# Altium PCB RBP-UPS_Power_V1.1.PcbDoc (part 2 of 2)
Units mil, origin at the board's own origin, x right, y up, seen from the top; angles counter-clockwise.
Board outline 3346.46 x 2204.72 mil, 4 copper layers (Top Layer, GND, PWR, Bottom Layer), stack 23.756 mil thick; 129 components, 97 nets, 431 pads, 453 vias.
Unrouted connection lines stored in the file: 91.
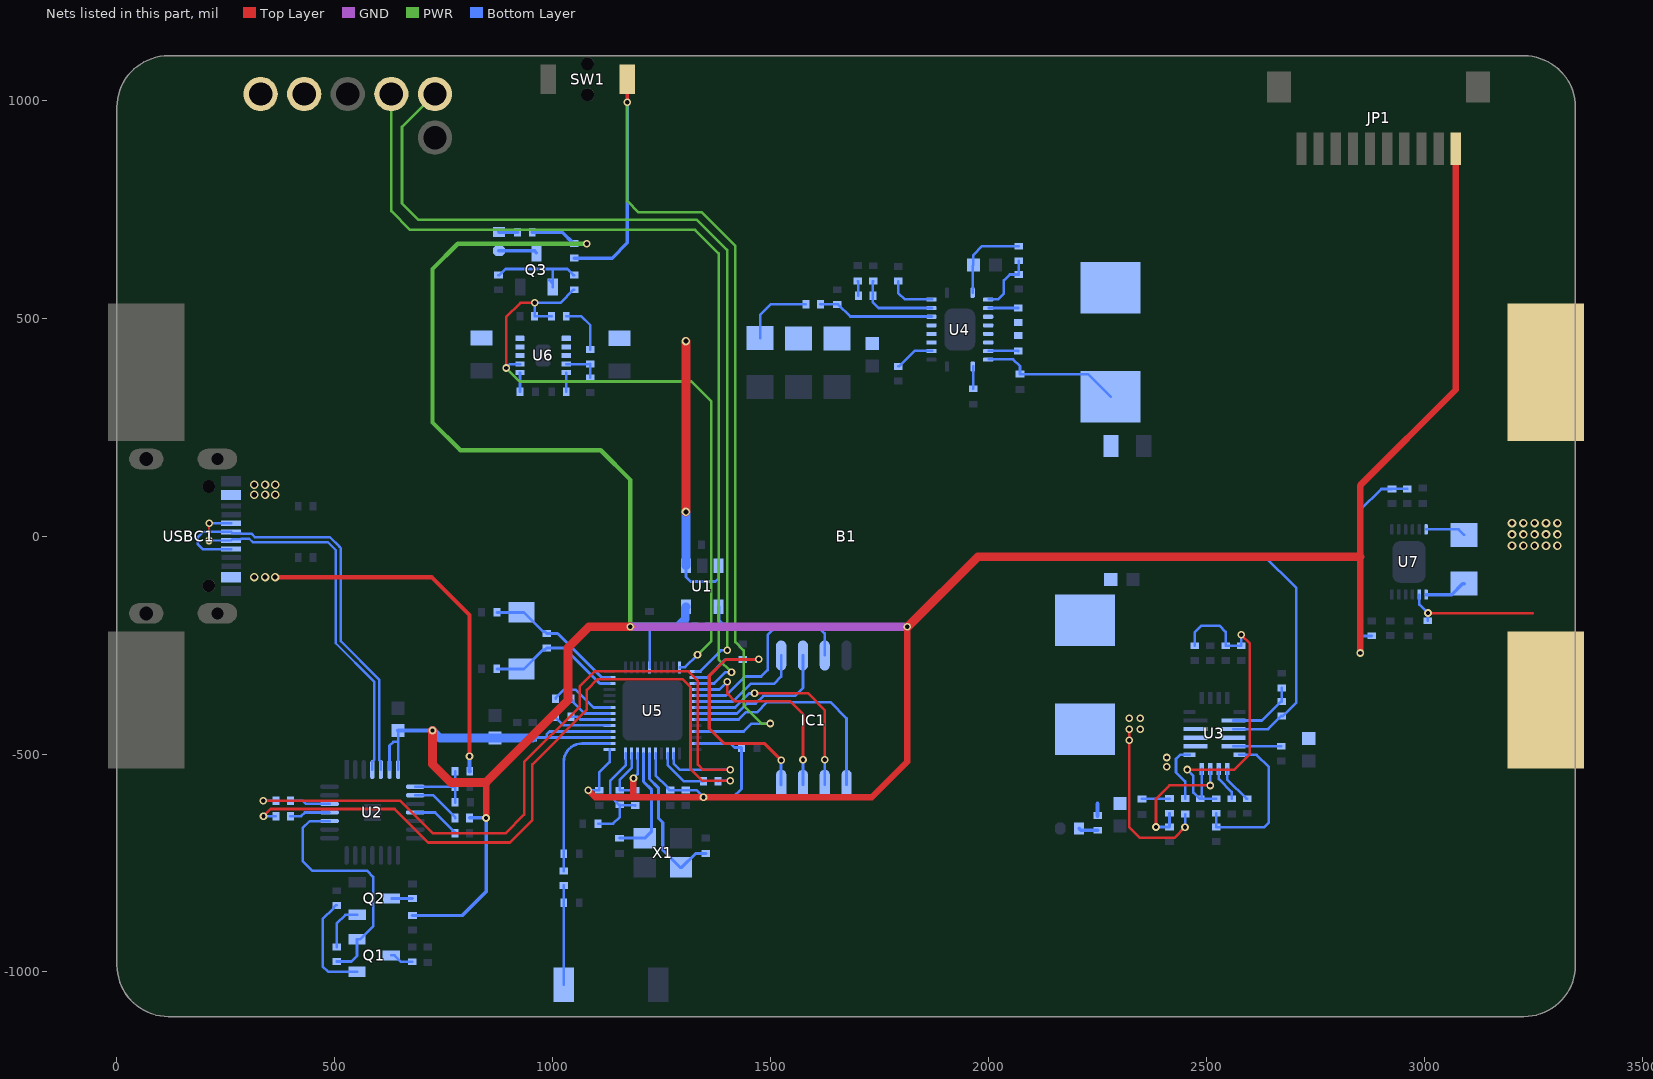
[diagram p4: the nets of this part, all layers, seen from the top]

## Via types
v1: diameter 17.72, hole 9.84, Top Layer to Bottom Layer, tented both sides, 427 vias
v2: diameter 19.68, hole 11.81, Top Layer to Bottom Layer, tented both sides, 26 vias

## Nets (pads, with @x,y where several pads share a name; then routed paths per layer and width w, separated by ;. In a path a pad name is that pad's centre, name@x,y a point inside that pad or via, vN(x,y) a via of type N, cw(c..) or ccw(c..) an arc to the next point about the centre after c; other vN are vias at no path point) (continued)
NetB1_1: B1.1 B1.3 C47.1 R45.1 U7.6 U7.8 | length 400.9
  Top Layer w6: v1(3008.04,-176.45) 3248.45,-176.45
  Bottom Layer w6: U7.8@2988.25,-134 2988.25,-156.66 v1(3008.04,-176.45) C47.1@3008.04,-194.1 ; U7.6@3004,15.61 3078.51,15.61 R45.1@3091,3.12
  other v2: 3201,-22 3227,-22 3253,-22 3279,-22 3305,-22 3201,4 3227,4 3253,4 3279,4 3305,4 3201,30 3227,30 3253,30 3279,30 3305,30
NetC3_1: C3.1 U1.4 | length 51
  Bottom Layer w8: U1.4@1380.4,-162.24 1380.4,-193.43 1393,-206.03 C3.1@1393,-208
NetC5_2: C5.2 R13.2 R14.2 U2.8 | length 163.6
  Bottom Layer w6: U2.8@684.43,-574.94 R14.2@775.92,-574.94 ; R13.2@775.85,-539.1 775.92,-539.18 R14.2@775.92,-574.94 ; R14.2@775.94,-574.94 R14.2@776,-575 ; C5.2@776,-611 775.92,-610.92 R14.2@775.92,-574.94
NetC7_1: C7.1 L1.1 U3.2 U3.4 | length 403
  Top Layer w6: v1(2323,-443) 2323,-668 2347,-692 2426.59,-692 v1(2450.89,-667.7)
  Bottom Layer w6: v1(2450.89,-667.7) C7.1@2450.89,-637.64
  other v1: 2408.5,-529 2408.5,-508 2323,-468 2348,-443 2323,-418 2348,-418
NetC7_2: C7.2 U3.1 | length 134.7
  Bottom Layer w6: C7.2@2450.89,-602.21 2450.89,-562.89 2430.07,-542.07 2430.07,-511.08 2439.55,-501.6 U3.1@2461.08,-501.6
NetC10_2: C10.2 R18.1 R19.1 R20.1 R21.2 U3.20 | length 832.2
  Top Layer w6: v1(2455.83,-535.62) 2563.76,-535.62 2599.65,-499.73 2599.65,-246.65 v1(2579.45,-226.45)
  Bottom Layer w6: v1(2455.83,-535.62) 2470,-549.79 2470,-588.32 2484.14,-602.46 C10.2@2486.11,-602.46 ; R18.1@2473,-251.54 2473,-221 2488.56,-205.44 2529.44,-205.44 2544,-220 R19.1@2544,-251.54 R20.1@2579.45,-251.51 v1(2579.45,-226.45) ; U3.20@2488.78,-534.3 2488.78,-599.78 C10.2@2486.11,-602.46 ; R21.2@2522.11,-602.46 C10.2@2486.11,-602.46
NetC12_1: C12.1 U3.18 | length 80.3
  Bottom Layer w6: U3.18@2528.15,-534.3 2528.15,-557.15 2557.53,-586.53 C12.1@2557.53,-602.38
NetC13_1: C13.1 L2.2 R26.1 U4.4 U4.5 U4.6 U4.7
NetC13_2: C13.2 U4.8 | length 68.3
  Bottom Layer w6: U4.8@2000,425.26 2000.11,425.15 2068.1,425.15 C13.2@2068.22,425.03
NetC20_2: C20.2 U4.10 | length 51.6
  Bottom Layer w6: U4.10@1964.57,389.83 1964.57,338.3 C20.2@1964.64,338.23
NetC21_2: C21.2 R28.1 U4.1 | length 199.3
  Bottom Layer w6: U4.1@1963.53,558.65 1963.53,620.53 C21.2@1965,622 1965,645 1985.34,665.34 R28.1@2068.87,665.34
NetC23_1: C23.1 R31.2 | length 34
  Bottom Layer w6: C23.1@1699.78,585.27 1701.13,583.92 R31.2@1701.13,551.8
NetC24_1: C24.1 U5.45 X1.3 | length 267.2
  Bottom Layer w7: C24.1@1153,-693 1211.25,-693 X1.3@1211.32,-693.07 1227,-677.39 1227,-582 1208.33,-563.33 U5.45@1208.33,-498.43
NetC25_1: C25.1 U5.44 X1.1 | length 362.9
  Bottom Layer w7: U5.44@1222.11,-498.43 1222.11,-557.11 1242.11,-577.11 1242.11,-646.73 1252.27,-656.9 1252.27,-720.24 1292.03,-760 X1.1@1294,-760 1295.97,-760 1327.57,-728.4 C25.1@1351.33,-728.4
NetC28_1: C28.1 C29.1 R32.1 U5.48 | length 263
  Bottom Layer w6: C29.1@1104.04,-659.62 1138.38,-659.62 1153.7,-644.3 R32.1@1153.7,-616.36 ; U5.48@1166.99,-498.43 1166.99,-525.97 1132,-560.96 1132,-596.63 1151.73,-616.36 R32.1@1153.7,-616.36 ; C28.1@1189.35,-618.31 1188.37,-617.33 1154.68,-617.33 R32.1@1153.7,-616.36
NetC28_2: C28.2 R32.2 U5.47 | length 131.3
  Bottom Layer w6: R32.2@1153.7,-582.89 1153.7,-558.85 1180.77,-531.78 U5.47@1180.77,-498.43 ; R32.2@1153.7,-582.89 C28.2@1189.34,-582.88
NetC35_2: C35.2 R34.1 T1.1 | length 227.7
  Bottom Layer w6.16: T1.1@1025,-1029 1025,-841.21 C35.2@1025.26,-841.21 1025.26,-801.65 R34.1@1025.4,-801.65
NetC36_2: C36.2 R34.2 U5.2 | length 380.3
  Bottom Layer w6.16: R34.2@1025.4,-768.19 1025.4,-728.66 C36.2@1025.17,-728.66 1025,-728.66 1025,-518 cw(c1067.21,-518) 1067.21,-475.79 U5.2@1130.57,-475.79
NetC37_1: C37.1 U5.6 | length 91.5
  Bottom Layer w6: C37.1@1041.66,-414.47 1056.93,-414.47 1063.13,-420.67 U5.6@1130.57,-420.67
NetC38_2: C38.2 U5.7 | length 104.3
  Bottom Layer w6: C38.2@1041.81,-372.93 1046.68,-377.81 1046.68,-380.35 1073.22,-406.89 U5.7@1130.57,-406.89
NetC39_2: C39.2 R35.2 U5.12 X2.2 | length 312.8
  Bottom Layer w7: C39.2@871.54,-304.62 927.75,-304.62 X2.2@927.95,-304.82 933.85,-304.82 977.74,-260.94 981.61,-260.94 R35.2@985.98,-256.56 1026.39,-256.56 1107.82,-337.99 U5.12@1130.57,-337.99
NetC40_2: C40.2 R35.1 U5.13 X2.1 | length 320.5
  Bottom Layer w7: C40.2@871.98,-174.83 927.88,-174.83 X2.1@927.95,-174.9 933.85,-174.9 977.68,-218.73 981.61,-218.73 R35.1@985.98,-223.1 1011.31,-223.1 1112.38,-324.17 U5.13@1130.57,-324.21 U5.13@1130.57,-324.21
NetC45_2: C45.2 U6.6 | length 44.4
  Bottom Layer w6: U6.6@924.7,375.26 924.7,331.02 C45.2@924.83,331.02
NetLED1_1: LED1.1 R47.2 | length 44.2
  Bottom Layer w8: LED1.1@2207.45,-670.69 2211.49,-674.73 R47.2@2250,-674.73
NetLED2_1: LED2.1 R48.1 | length 43.4
  Bottom Layer w8: LED2.1@876.43,698.03 876.93,697.53 918.93,697.53 R48.1@919.43,697.03
NetLED2_2: LED2.2 Q3.3 | length 87.8
  Bottom Layer w8: LED2.2@876.43,654.72 958.11,654.72 Q3.3@962.43,650.4
NetQ1_1: Q1.1 R10.2 | length 238
  Bottom Layer w6: R10.2@503.81,-847.13 501.84,-847.13 496.97,-852.01 496.97,-853.98 472,-878.94 472,-987 484.4,-999.4 Q1.1@550.63,-999.4
NetQ1_3: Q1.3 R9.1 | length 54.4
  Bottom Layer w6: Q1.3@629.37,-962 637.24,-962 651.79,-976.55 R9.1@677.77,-976.55
NetQ2_1: Q2.1 R11.2 | length 109.4
  Bottom Layer w6: R11.2@503.98,-942.58 503.98,-889.02 524.23,-868.77 Q2.1@551.42,-868.77
NetQ2_3: Q2.3 R12.1 | length 47.9
  Bottom Layer w6: Q2.3@630.16,-831.37 630.25,-831.46 R12.1@678.03,-831.46
NetQ3_1: Q3.1 R49.2 R50.2 | length 238
  Bottom Layer w6: R50.2@875.43,599.03 877.4,599.03 891.37,613 1000,613 ; Q3.1@992.02,587.35 Q3.1@999.84,579.53 ; Q3.1@999.84,571.66 Q3.1@999.84,579.53 ; R49.2@1049.43,599.03 1047.47,599.03 1033.5,613 1000,613 ; Q3.1@999.84,579.53 999.84,612.84 1000,613
NetR1_1: R1.1 R2.2 U3.19 | length 301.5
  Top Layer w6: v1(2384.23,-667.23) 2384.23,-602.77 2415.09,-571.91 v1(2508.46,-571.91)
  Bottom Layer w6: v1(2384.23,-667.23) R2.2@2415.09,-667.23 R1.1@2415.1,-635.69 ; v1(2508.46,-571.91) U3.19@2508.46,-534.3
NetR5_1: R5.1 U2.26 | length 92.7
  Bottom Layer w6: R5.1@397.98,-606.83 425.83,-606.83 433.31,-614.31 U2.26@487.57,-614.31
NetR6_1: R6.1 R7.1 U3.12 | length 160.8
  Bottom Layer w6: U3.12@2561.61,-423 2627.3,-423 2671.03,-379.27 R6.1@2673,-379.27 R7.1@2673,-348
NetR8_1: R8.1 U2.25 | length 93.1
  Bottom Layer w6: R8.1@397.94,-642.34 422.66,-642.34 431,-634 U2.25@487.57,-634
NetR15_1: R15.1 U2.11 | length 112.4
  Bottom Layer w6: U2.11@684.43,-634 729.88,-634 775.8,-679.93 R15.1@775.8,-681.89
NetR16_1: R16.1 U2.9 | length 114.1
  Bottom Layer w6: U2.9@684.43,-594.63 725.82,-594.63 775.81,-644.61 R16.1@775.81,-646.58
NetR21_1: R21.1 R22.2 U3.16 | length 363.2
  Bottom Layer w6: R21.1@2522.11,-635.92 R22.2@2522.11,-667.46 2632.54,-667.46 2643.1,-656.9 2643.1,-530.1 2614.74,-501.74 U3.16@2575.39,-501.74
NetR23_2: R23.2 U3.15 | length 110.3
  Bottom Layer w6: U3.15@2561.61,-482.06 R23.2@2671.9,-482.03
NetR24_2: R24.2 U3.17 | length 88
  Bottom Layer w6: U3.17@2547.83,-534.3 2547.83,-558.97 2591.26,-602.39 R24.2@2593.22,-602.39
NetR26_2: R26.2 U4.3 | length 68.2
  Bottom Layer w6: U4.3@2000.01,523.7 R26.2@2068.15,523.71
NetR29_2: R29.2 U4.13 | length 92.3
  Bottom Layer w6: R29.2@1792.65,389.49 1794.61,389.49 1830.39,425.26 U4.13@1870.08,425.26
NetR33_1: R33.1 U5.41 | length 124.6
  Bottom Layer w6: U5.41@1263.45,-498.43 1263.45,-525.19 1300.26,-562 R33.1@1346,-562
NetR37_1: R37.1 R40.2 U6.4 | length 86.6
  Bottom Layer w6: U6.4@1031,394.94 R37.1@1086,395 ; R40.2@1085.98,363.45 R37.1@1086,395 ; R37.1@1086,395 R37.1@1086,395
NetR39_2: R39.2 U6.5 | length 44.3
  Bottom Layer w6: R39.2@1031,331 U6.5@1031,375.26
NetRILIM_1: RILIM.1 U4.19 | length 110.5
  Bottom Layer w6: RILIM.1@1792.65,585.27 1792.65,558.43 1807.71,543.37 U4.19@1870.08,543.37
PW1555_EN: R36.1 R38.2 R49.1 U5.24 U6.7 | length 1555.9
  Top Layer w6: v1(893,386) 893,503 925.57,535.57 v1(958.43,535.57)
  PWR w6: v1(893,386) 924,355 1318.39,355 1364,309.39 1364,-240.12 v1(1331.88,-272.24)
  Bottom Layer w6: v1(893,386) 901.94,394.94 U6.7@924.7,394.94 ; v1(958.43,535.57) 1017.47,535.57 1047.47,565.57 R49.1@1049.43,565.57 ; U5.24@1291.01,-301.57 1291.55,-301.03 1291.55,-300.73 1303.29,-300.73 1331.78,-272.24 v1(1331.88,-272.24)
  Bottom Layer w6.16: v1(958.43,535.57) R38.2@958.43,504.52 997.36,504.52 R36.1@997.36,504.79
RBP_5V: C44.2 G1.1 G2.1 U6.8 U6.9 U6.10
RTS: Q1.2 R11.1 U2.24 | length 574.2
  Bottom Layer w6: U2.24@487.57,-653.68 442.32,-653.68 426,-670 426,-745 449,-768 574.29,-768 588,-781.71 588,-895.1 558.5,-924.6 Q1.2@550.63,-924.6 550.63,-963.37 537.95,-976.05 R11.1@503.98,-976.05
SCK/CLK: IC1.6 U5.31 | length 497.7
  Top Layer w6: v1(1462.95,-360.14) 1585.14,-360.14 1624,-399 v1(1624,-513)
  Bottom Layer w6: U5.31@1327.43,-393.11 1418.5,-393.11 1450.58,-361.03 1462.06,-361.03 v1(1462.95,-360.14) ; IC1.6@1624,-570.35 v1(1624,-513)
SCS/CMD: IC1.1 U5.30 | length 268.6
  Bottom Layer w6: U5.30@1327.43,-379.33 1413.48,-379.33 1454.05,-338.76 1507.15,-338.76 1524,-321.91 IC1.1@1524,-273.65
SDI/SD1: IC1.5 U5.33 | length 530.7
  Bottom Layer w6: U5.33@1327.43,-420.67 1426.33,-420.67 1442.63,-404.37 1468.63,-404.37 1492,-381 1637,-381 1674,-418 IC1.5@1674,-570.35
SDO/SD0: IC1.2 U5.32 | length 345.3
  Bottom Layer w6: U5.32@1327.43,-406.89 1422.4,-406.89 1445.29,-384 1465.57,-384 1483.31,-366.26 1555.74,-366.26 1574,-348 IC1.2@1574,-273.65
SENSOR_VN: C38.1 U5.8 | length 151.1
  Bottom Layer w6: C38.1@1006.38,-372.94 1006.38,-370.97 1025.35,-352 1052.41,-352 1093.52,-393.11 U5.8@1130.57,-393.11
SENSOR_VP: C37.2 U5.5 | length 133.5
  Bottom Layer w6: C37.2@1006.23,-414.47 1006.23,-416.44 1024.03,-434.24 U5.5@1130.36,-434.24
SHD/SD2: IC1.7 U5.28 | length 463.4
  Top Layer w6: v1(1400.52,-333.76) 1400.52,-361.52 1418,-379 1545,-379 1574,-408 v1(1574,-513)
  Bottom Layer w6: U5.28@1327.43,-351.77 1382.5,-351.77 v1(1400.52,-333.76) ; IC1.7@1574,-570.35 v1(1574,-513)
SWP/SD3: IC1.3 U5.29 | length 466.4
  Bottom Layer w6: U5.29@1327.43,-365.55 1397.19,-365.55 1440.74,-322 1478,-322 1493,-307 1493,-227 1513,-207 1608,-207 1624,-223 IC1.3@1624,-273.65
TPS_COMP: C22.1 R31.1 U4.18 | length 189.9
  Bottom Layer w6: C22.1@1735.35,585.21 1734.59,584.45 R31.1@1734.59,551.8 1734.59,536.41 1747.32,523.68 U4.18@1870.08,523.68
TPS_EN: R28.2 R30.2 U4.2 | length 141.7
  Bottom Layer w6: U4.2@2000,543.37 2021.37,543.37 2035,557 2035,587 2048.57,600.57 R30.2@2069.04,600.57 2068.87,600.74 R28.2@2068.87,631.88
TPS_FB: R25.1 R27.2 U4.17 | length 267.6
  Bottom Layer w6: R25.1@1614.11,532.06 1614.16,532 R27.2@1653,532 1654.97,532 1682.97,504 U4.17@1870.08,504
U0RXD: R5.2 U5.40 | length 1748.4
  Top Layer w6: v1(335.83,-606.83) 649.83,-606.83 725,-682 891.02,-682 934.2,-638.81 934.2,-518.43 1062,-390.63 1062,-344 1095.9,-310.1 1311.1,-310.1 1333,-332 1333,-524 1345.13,-536.13 v1(1407.36,-536.13)
  Bottom Layer w6: v1(335.83,-606.83) R5.2@364.52,-606.83 ; U5.40@1277.31,-498.51 1277.31,-521.47 1291.97,-536.13 v1(1407.36,-536.13)
U0TXD: R8.2 R33.2 | length 1629.9
  Top Layer w6: v1(336.34,-642.34) 352.69,-626 637,-626 714,-703 901.3,-703 952.87,-651.43 952.87,-523.35 1078,-398.23 1078,-353 1103.14,-327.87 1297.86,-327.87 1316,-346 1316,-534.29 1343.13,-561.42 v1(1407.38,-561.42)
  Bottom Layer w6: v1(336.34,-642.34) R8.2@364.48,-642.34 ; R33.2@1379.46,-562 1380.04,-561.42 v1(1407.38,-561.42)
U2RXD: G13.1 U5.27 | length 2126.3
  PWR w6: G13.1@629.53,1014.57 629.53,746.06 672.57,703.01 1326.66,703.01 1380.61,649.07 1380.61,-282.61 v1(1410,-312)
  Bottom Layer w6: U5.27@1327.43,-337.99 1370.4,-337.99 1396.39,-312 v1(1410,-312)
U2TXD: G12.1 U5.25 | length 2094
  PWR w6: G12.1@729.53,1014.57 712.57,1014.57 712.57,997.61 654,939.04 654,763.27 690.88,726.38 1330.26,726.38 1400,656.64 v1(1400,-262)
  Bottom Layer w6: U5.25@1327.43,-310.43 1337.66,-310.43 1386.09,-262 v1(1400,-262)
USB_D_N: U2.5 USBC1.A7 USBC1.B7 | length 992.7
  Bottom Layer w5.59: USBC1.B7@261.57,-29.77 USBC1.B7@261.81,-29.53 196.53,-29.53 185,-18 185,-3 197.84,9.84 USBC1.A7@261.82,9.84 264.94,6.73 284.02,6.73 284.94,5.81 308.34,5.81 316.56,-2.41 488.8,-2.41 510.2,-23.8 513.59,-27.2 513.59,-240.76 601.64,-328.81 601.64,-513.64 605.68,-517.69 U2.5@605.68,-535.57
USB_D_P: U2.4 USBC1.A6 USBC1.B6 | length 935
  Top Layer w4.84: v1@211.31,-9.69 v1@211.31,29.37
  PWR w4.84: v1(211.16,-9.84) v1@211.31,-9.69 ; v1@211.31,29.37 v1(211.47,29.53)
  Bottom Layer w5.59: v1(211.16,-9.84) USBC1.A6@261.88,-9.84 264.99,-6.73 284.05,-6.73 285,-5.78 303.54,-5.78 311.75,-14 484,-14 502,-32 502,-245.56 590.05,-333.61 590.05,-513.64 586,-517.69 U2.4@586,-535.57 ; v1(211.47,29.53) USBC1.B6@261.88,29.53
USER_KEY: R51.2 SW1.1 U5.35 | length 2348.9
  Top Layer w8: SW1.1@1170.55,1048.43 1170.91,1048.07 v1(1170.91,995.52)
  PWR w6: v1(1170.91,995.52) 1170.91,769.09 1197,743 1342.11,743 1419,666.11 1419,-243 1437.99,-261.99 1437.99,-388.99 1479,-430 v1(1499,-430)
  Bottom Layer w6: U5.35@1327.43,-448.23 1437.77,-448.23 1456,-430 v1(1499,-430)
  Bottom Layer w8: R51.2@1049.43,638.03 1136.03,638.03 1171,673 1171,995.44 v1(1170.91,995.52)
VBAT: C11.2 R45.2 U3.14 U7.7 | length 97.3
  Bottom Layer w8: U7.7@3004,-134 3062.59,-134 3087.5,-109.09 R45.2@3091,-109.09
VBUS: C6.2 C9.2 R1.2 R13.1 R47.1 U3.3 USBC1.A4 USBC1.A9 USBC1.B4 USBC1.B9 | length 931
  Top Layer w10: v2(362.84,-93.98) 721.98,-93.98 808.75,-180.75 v1(808.75,-504.71)
  Bottom Layer w6: C6.2@2352.08,-602.89 2352.41,-602.56 2414.76,-602.56 R1.2@2415.1,-602.22
  Bottom Layer w10: v1(808.75,-504.71) 809.03,-505 809.03,-538.82 R13.1@809.31,-539.1 ; R47.1@2250,-641.27 2250,-614
  other v2: 314.84,-93.98 339.84,-93.98 315,95 340,95 363,95 315,118 340,118 363,118
VCC_3V3: C1.1 C4.2 C26.2 C27.2 C30.2 C31.2 C32.2 C33.2 C34.1 C42.2 JP1.1 R16.2 R41.2 R42.2 R43.2 R46.2 R48.2 R51.1 U1.5 U2.6 U2.7 U5.1 U5.3 U5.4 U5.19 U5.37 U5.43 U5.46 | length 9302.3
  Top Layer w6: 1185,-599 1185.04,-598.96
  Top Layer w8: 846.82,-565 846.82,-564.71 848,-563.53
  Top Layer w15: v1(846.82,-646.58) 846.82,-565 ; v1(1081.12,-582.88) 1097.24,-599 1185,-599 v1(1346,-599) 1732,-599 1813.27,-517.73 v1@1813.27,-208.25 ; 1185.04,-598.96 v1(1185.04,-555.45) ; v1(2852.6,-267.89) 2852.49,-267.78 2852.49,-47 2852.49,116.09 3072.16,335.76 JP1.1@3072.16,889.13
  Top Layer w20: v1(724,-446) 724,-523 766,-565 846.82,-565 ; 846.82,-564.71 1035,-376.53 1035,-256 1083,-208 v1(1178,-208) ; v1@1814.82,-208.08 1975.9,-47 2852.49,-47
  GND w20: v1(1178,-208) v1(1813.56,-207.96) v1(1813.56,-207.96)
  PWR w10: v1(1078,671) 782,671 724,613 724,261 788,197 1110,197 1178,129 v1(1178,-208)
  Bottom Layer w6: U2.6@625.37,-535.57 625.37,-480.63 634,-472 645.06,-472 ; C4.2@645,-446 645.06,-446.06 645.06,-472 ; U2.7@645.06,-535.57 645.06,-472 ; C32.2@953.54,-462.97 954.63,-461.88 986,-461.88 ; v1(1081.12,-582.88) C33.2@1106.33,-582.88 1106.33,-542.67 1130.57,-518.43 U5.1@1130.57,-489.57 ; U5.3@1130.44,-461.88 986,-461.88 ; U5.4@1130.57,-448.23 992.85,-448.23 986,-455.07 986,-461.88 ; v1(1185.04,-555.45) 1185.18,-555.45 1194.55,-546.07 U5.46@1194.55,-498.43 ; C42.2@1222,-208 1222.11,-208.11 U5.19@1222.11,-301.57 ; U5.43@1235.89,-498.43 1235.89,-549.02 1262.8,-575.93 1262.8,-577.9 1267.68,-582.77 C27.2@1269.65,-582.77 C26.2@1304.99,-582.76 1329.76,-582.76 v1(1346,-599) 1414,-599 1433,-580 C34.1@1433,-485 1417.15,-485 1407.96,-475.81 U5.37@1327.43,-475.79 ; v1(2852.6,-267.89) 2852.6,-229 ; R43.2@2879,-228.46 2878.46,-229 2852.6,-229 ; R42.2@2961.01,108.6 2960.91,108.49 2925.67,108.49 R41.2@2925.57,108.39 2901.39,108.39 2852.6,59.6 2852.6,-229
  Bottom Layer w8: R46.2@678.05,-870.4 792.6,-870.4 846.82,-816.18 v1(846.82,-646.58) R16.2@809.27,-646.58 ; R48.2@952.9,697.03 1021.93,697.03 1047.47,671.5 R51.1@1049.43,671.5 1049.93,671 v1(1078,671) ; v1(2852.6,-267.89) v1@2853.19,-267.3
  Bottom Layer w10: C4.2@645,-446 v1(724,-446)
  Bottom Layer w20: v1(724,-446) 741,-463 C30.2@867,-463 C31.2@918,-463 C32.2@953.54,-462.97 ; v1(1178,-208) C42.2@1222,-208 C1.1@1291,-208 1291,-203.08 1303.79,-190.3 1303.79,-164.06 U1.5@1305.6,-162.24
VCC_5V: C2.2 C15.2 C16.2 C17.2 C18.2 C43.2 R25.2 R36.2 R37.2 U1.1 U1.3 U4.14 U4.15 U4.16 U6.1 U6.2 U6.3 | length 940
  Top Layer w20: v2(1305.34,55.7) 1305.48,55.84 v2(1305.48,447.48)
  Bottom Layer w6: R36.2@1030.82,504.79 1065.21,504.79 1086,484 R37.2@1086,428.46 ; U1.1@1305.6,-67.76 1305.6,-93.6 1316,-104 1373,-104 1380.4,-96.6 U1.3@1380.4,-67.76 ; C18.2@1476,454.2 1476,508 1500.06,532.06 R25.2@1580.64,532.06
  Bottom Layer w20: v2(1305.34,55.7) 1305.48,55.56 1305.48,-67.63 U1.1@1305.6,-67.76
VCC_SYS: C8.2 C14.2 C19.2 L1.2 L2.1 R6.2 U3.13 U4.9 | length 1226.9
  Bottom Layer w6: U4.9@2000,405.57 2056.43,405.57 2072,390 C19.2@2072,372 2228,372 L2.1@2280,320 ; 2269.28,-42 2629,-42 2706,-119 2706,-381.7 2674.97,-412.73 R6.2@2673,-412.73 2671.03,-412.73 2641.08,-442.68 U3.13@2561.61,-442.68
VDD_SDIO: C41.2 IC1.8 U5.26 | length 663.9
  Top Layer w7: v1(1472.44,-282.43) 1472.06,-282.81 1396.49,-282.81 1359,-320.3 1359,-441.39 1393.05,-475.43 1485.43,-475.43 v1(1524,-514)
  Bottom Layer w7: U5.26@1327.43,-324.21 1354.79,-324.21 1396,-283 C41.2@1436,-283 1436.28,-282.72 1472.15,-282.72 v1(1472.44,-282.43) ; IC1.8@1524,-570.35 v1(1524,-514)
pads on no net: JP1.0 JP1.10 SW1.0 T1.2 U2.1 U2.2 U2.10 U2.12 U2.13 U2.14 U2.15 U2.16 U2.17 U2.18 U2.19 U2.20 U2.21 U2.22 U2.23 U2.27 U4.11 U4.12 U7.4 U7.9 U7.11 USBC1. USBC1.A8 USBC1.B8

## Polygon pours and split planes (outlines as drawn)
GND on GND "GND_L02_P001" (solid, remove dead copper, pour order 1): 0,1103 0,-1103 3347,-1103 3347,1103
GND on PWR "GND_L03_P002" (solid, remove dead copper, pour order 2): 0,1103 0,-1103 3347,-1103 3347,1103
GND on Top Layer "GND_L01_P000" (solid, remove dead copper, pour order 0): 0,1103 0,-1103 3347,-1103 3347,1103
GND on Bottom Layer "GND_L04_P003" (solid, remove dead copper, pour order 3): 0.08,1102.21 0.08,-1103.79 3347.08,-1103.79 3347.08,1102.21

## Keep-outs
Keep-Out Layer:
  circle w0.5: c2421.26,-964.57 r118.11
  circle w0.5: c2421.26,964.57 r118.11
  circle w0.5: c137.8,-964.57 r118.11
  circle w0.5: c137.8,964.57 r118.11
  circle w0.5: c137.8,964.57 r118.11
  circle w0.5: c137.8,-964.57 r118.11
  circle w0.5: c2421.26,964.57 r118.11
  circle w0.5: c2421.26,-964.57 r118.11
  lines w0.5: 0,-984.25 ccw(c118.11,-984.25) 118.11,-1102.36 3228.35,-1102.36 ccw(c3228.35,-984.25) 3346.46,-984.25 3346.46,984.25 ccw(c3228.35,984.25) 3228.35,1102.36 118.11,1102.36 ccw(c118.11,984.25) 0,984.25 0,-984.25

## Other copper
Top Layer:
  pour cut-out: 3051,856 3051,333 3027.23,309.23 3009.96,309.23 3009.96,855.96 3010,856
  pour cut-out: 906,-913 906,-1120 1404,-1120 1404,-913.6 1404.27,-913.33
  region net NetC7_1: 2306.59,-491.84 2313.75,-499 2378,-499 2390,-511 2390,-536 2399,-545 2419,-545 2427,-537 2427,-494 2370,-437 2370,-409 2358,-397 2319,-397 2306.59,-409.41
  pour cut-out: 200,1092 482,1092 482,929 200,929
  region net NetB1_1: 3177.57,-538.04 3188.2,-548.67 3310.33,-548.67 3325,-534 3325,537 3314,548 3189.23,548 3177.57,536.34
  region net VBUS: 302,-103 302,123 310,131 370,131 376,125 376,-105 370,-111 310,-111
GND:
  pour cut-out: 2139,593 2419,593 2419,299.47 2418.81,299.27 2139.38,299.27 2139.34,299.23
  pour cut-out: 2080,-170 2360,-170 2360,-463.53 2359.81,-463.73 2080.38,-463.73 2080.34,-463.77
  pour cut-out: 906,-913 906,-1120 1404,-1120 1404,-913.6 1404.27,-913.33
  pour cut-out: 200,1092 482,1092 482,929 200,929
PWR:
  pour cut-out: 2139,593 2419,593 2419,299.47 2418.81,299.27 2139.38,299.27 2139.34,299.23
  pour cut-out: 2080,-170 2360,-170 2360,-463.53 2359.81,-463.73 2080.38,-463.73 2080.34,-463.77
  pour cut-out: 906,-913 906,-1120 1404,-1120 1404,-913.6 1404.27,-913.33
  pour cut-out: 200,1092 482,1092 482,929 200,929
Bottom Layer:
  region net VCC_5V: 1021.47,407.39 1018.85,410.61 1018.85,459.85 1024.26,465.26 1102.89,465.26 1112.81,475.19 cw(c1113,475.01) 1113,475.26 1390.89,475.26 1406.81,491.19 cw(c1407,491.01) 1407,491.26 1880.8,491.26 cw(c1880.81,491.01) 1880.99,491.19 1883.43,488.74 cw(c1883.26,488.56) 1883.51,488.55 1883.51,440.64 cw(c1883.26,440.64) 1883.43,440.45 1881.15,438.17 cw(c1880.97,438.35) 1880.96,438.09 1767.31,438.09 1753.16,423.95 cw(c1752.98,424.12) 1752.97,423.87 1116.27,423.87 1110.32,417.91 cw(c1110.13,418.09) 1110.13,417.83 1060.65,417.83 1050.28,407.47 cw(c1050.1,407.64) 1050.09,407.39
  region net GND: 238.44,114.67 238.44,137.44 240,139 256.03,139 285.42,168.38 305.62,168.38 310.05,163.95 310.05,153.24 287.72,130.91 287.72,116 285.6,113.88 239.23,113.88
  region net GND: 237.93,-137.04 237.93,-114.61 238.83,-113.71 291.35,-113.71 308.02,-130.38 308.02,-139.88 306.67,-141.23 287.03,-141.23 284.11,-138.31 239.2,-138.31
  pour cut-out: 2139,593 2419,593 2419,299.47 2418.81,299.27 2139.38,299.27 2139.34,299.23
  pour cut-out: 2080,-170 2360,-170 2360,-463.53 2359.81,-463.73 2080.38,-463.73 2080.34,-463.77
  pour cut-out: 906,-913 906,-1120 1404,-1120 1404,-913.6 1404.27,-913.33
  pour cut-out: 200,1092 482,1092 482,929 200,929
  region net NetB1_1: 3055,-28.06 3055,34 3064.12,43.12 3312.02,43.12 3320.53,34.62 3320.53,-28.86 3313.08,-36.3 3063.24,-36.3
  region net VBAT: 2532,-466.73 2534.5,-469.23 2656.77,-469.23 2661.39,-464.61 2691.25,-464.61 2714.64,-488 3056,-488 3131.67,-412.33 3131.67,-79.34 3125.51,-73.18 3054.29,-73.18 3047.41,-80.07 3047.41,-405.36 3012.98,-439.79 2661.21,-439.79 2644.68,-456.32 2533.56,-456.32 2532,-457.88
  region net VCC_SYS: 2140,-251 2152.37,-263.37 2295.63,-263.37 2301,-258 2301,225 2322,246 2350,246 2360,256 2360,385 2350,395 2209,395 2197,383 2197,-57 2140,-114
  region net NetC7_1: 2137.31,-497.49 2149.83,-510 2311,-510 2323,-498 2323,-482 2356.26,-448.74 2502.26,-448.74 2504,-447 2504,-438.63 2502.11,-436.74 2381.74,-436.74 2318.66,-373.66 2147.95,-373.66 2137.31,-384.31
  region net NetC7_1: 2397,-533 2403,-539 2415,-539 2421,-533 2421,-503 2436,-488 2503,-488 2504,-487 2504,-477 2503,-476 2421,-476 2397,-500
  region net VBUS: 385,82 399,96 512,96 532,76 1100,76 1137,113 1797,113 1875,35 1875,-533 1973,-631 2323,-631 2337,-617 2376,-617 2390,-603 2390,-494 2414,-470 2437,-470 2439.12,-467.88 2502.77,-467.88 2503.6,-467.06 2503.6,-457.63 2502.92,-456.95 2396.05,-456.95 2367,-486 2367,-566 2344,-589 2021,-589 1941,-509 1941,68 1833,176 1087.32,176 1051.32,140 317,140 302.31,125.31 302.31,90.79 311.1,82
  region net VBUS: 237.84,-106.09 237.84,-82.52 238.73,-81.63 384.47,-81.63 390.47,-87.63 390.47,-101.34 384.61,-107.21 238.96,-107.21
  region net VBUS: 238,82.88 238,106.46 238.89,107.35 384.63,107.35 390.63,101.35 390.63,87.63 384.77,81.77 239.12,81.77
  region net NetC13_1: 1987,440.85 1989.19,438.67 2037.81,438.67 2049.7,450.55 2145.82,450.55 2197.7,502.43 2353.85,502.43 2364.65,513.23 2364.65,626.22 2356.58,634.28 2177.91,634.28 2149.55,605.93 2149.55,534.66 2124.11,509.22 1989.05,509.22 1987,507.17
  region net RBP_5V: 445,427 289,583 289,1053 305.27,1069.27 450.73,1069.27 469,1051 469,602 561,510 774,510 801,483 865,483 884,464 933.32,464 936.48,460.84 936.48,409.21 934.91,407.64 893.36,407.64 874,427

## Silkscreen, mask and mechanical layers (free items; w line width, h text height)
Top Overlay:
  drawing of 33 lines, arcs and shapes, not listed
  text "JLCJLCJLCJLC" at 2761.15,1005.79 h40
Bottom Overlay:
  region: 628 vertices and 13 holes, not listed, extent 2961.33,342.83 3283.83,756.89
Bottom Solder:
  text "Designed by" at 2951.01,549.06 h60
  text "JosephKevin" at 2791.01,475.16 h60
Mechanical 1:
  circle w0.5: c137.8,964.57 r53.15
  circle w0.5: c137.8,-964.57 r53.15
  circle w0.5: c2421.26,964.57 r53.15
  circle w0.5: c2421.26,-964.57 r53.15
  lines w0.5: 0,-984.25 ccw(c118.11,-984.25) 118.11,-1102.36 3228.35,-1102.36 ccw(c3228.35,-984.25) 3346.46,-984.25 3346.46,984.25 ccw(c3228.35,984.25) 3228.35,1102.36 118.11,1102.36 ccw(c118.11,984.25) 0,984.25 0,-984.25
Mechanical 2:
  the board outline again, w0.5
Mechanical 3:
  circle w0.5: c2421.26,-964.57 r53.15
  circle w0.5: c2421.26,964.57 r53.15
  circle w0.5: c137.8,-964.57 r53.15
  circle w0.5: c137.8,964.57 r53.15
Mechanical 4:
  lines w0.5: 279.53,866.14 2279.53,866.14 2279.53,1062.99 279.53,1062.99 279.53,866.14
Mechanical 5:
  circle w0.5: c329.53,1014.57 r31.5
  circle w0.5: c429.53,1014.57 r31.5
  circle w0.5: c529.53,1014.57 r31.5
  circle w0.5: c629.53,1014.57 r31.5
  circle w0.5: c729.53,1014.57 r31.5
  circle w0.5: c829.53,1014.57 r31.5
  circle w0.5: c929.53,1014.57 r31.5
  circle w0.5: c1029.53,1014.57 r31.5
  circle w0.5: c1129.53,1014.57 r31.5
  circle w0.5: c1229.53,1014.57 r31.5
  circle w0.5: c1329.53,1014.57 r31.5
  circle w0.5: c1429.53,1014.57 r31.5
  circle w0.5: c1529.53,1014.57 r31.5
  circle w0.5: c1729.53,1014.57 r31.5
  circle w0.5: c1829.53,1014.57 r31.5
  circle w0.5: c1929.53,1014.57 r31.5
  circle w0.5: c2029.53,1014.57 r31.5
  circle w0.5: c2129.53,1014.57 r31.5
  circle w0.5: c2229.53,1014.57 r31.5
  circle w0.5: c429.53,914.57 r31.5
  circle w0.5: c529.53,914.57 r31.5
  circle w0.5: c629.53,914.57 r31.5
  circle w0.5: c729.53,914.57 r31.5
  circle w0.5: c829.53,914.57 r31.5
  circle w0.5: c929.53,914.57 r31.5
  circle w0.5: c1029.53,914.57 r31.5
  circle w0.5: c1129.53,914.57 r31.5
  circle w0.5: c1229.53,914.57 r31.5
  circle w0.5: c1329.53,914.57 r31.5
  circle w0.5: c1429.53,914.57 r31.5
  circle w0.5: c1529.53,914.57 r31.5
  circle w0.5: c1729.53,914.57 r31.5
  circle w0.5: c1829.53,914.57 r31.5
  circle w0.5: c1929.53,914.57 r31.5
  circle w0.5: c2029.53,914.57 r31.5
  circle w0.5: c2129.53,914.57 r31.5
  circle w0.5: c2229.53,914.57 r31.5
  circle w0.5: c1629.53,914.57 r31.5
  circle w0.5: c1629.53,1014.57 r31.5
  lines w0.5: 298.03,883.07 298.03,946.06 361.02,946.06 361.02,883.07 298.03,883.07
  text "GND" at 510.71,1007.98 h20
  text "TXD0" at 607.43,1007.98 h20
  text "RXD0" at 706.92,1008.07 h20
  text "GND" at 910.71,1007.98 h20
  text "GND" at 1210.71,1007.98 h20
  text "GND" at 1710.71,1007.98 h20
  text "GND" at 1910.71,1007.98 h20
  text "5V" at 312.97,1003.19 h20
  text "5V" at 412.97,1003.19 h20
  text "GND" at 710.71,907.98 h20
  text "GND" at 1510.71,907.98 h20
  text "GND" at 2210.71,907.98 h20
Mechanical 6:
  circle w0.5: c329.53,1014.57 r31.5
  circle w0.5: c429.53,1014.57 r31.5
  circle w0.5: c529.53,1014.57 r31.5
  circle w0.5: c629.53,1014.57 r31.5
  circle w0.5: c729.53,1014.57 r31.5
  circle w0.5: c829.53,1014.57 r31.5
  circle w0.5: c929.53,1014.57 r31.5
  circle w0.5: c1029.53,1014.57 r31.5
  circle w0.5: c1129.53,1014.57 r31.5
  circle w0.5: c1229.53,1014.57 r31.5
  circle w0.5: c1329.53,1014.57 r31.5
  circle w0.5: c1429.53,1014.57 r31.5
  circle w0.5: c1529.53,1014.57 r31.5
  circle w0.5: c1729.53,1014.57 r31.5
  circle w0.5: c1829.53,1014.57 r31.5
  circle w0.5: c1929.53,1014.57 r31.5
  circle w0.5: c2029.53,1014.57 r31.5
  circle w0.5: c2129.53,1014.57 r31.5
  circle w0.5: c2229.53,1014.57 r31.5
  circle w0.5: c429.53,914.57 r31.5
  circle w0.5: c529.53,914.57 r31.5
  circle w0.5: c629.53,914.57 r31.5
  circle w0.5: c729.53,914.57 r31.5
  circle w0.5: c829.53,914.57 r31.5
  circle w0.5: c929.53,914.57 r31.5
  circle w0.5: c1029.53,914.57 r31.5
  circle w0.5: c1129.53,914.57 r31.5
  circle w0.5: c1229.53,914.57 r31.5
  circle w0.5: c1329.53,914.57 r31.5
  circle w0.5: c1429.53,914.57 r31.5
  circle w0.5: c1529.53,914.57 r31.5
  circle w0.5: c1729.53,914.57 r31.5
  circle w0.5: c1829.53,914.57 r31.5
  circle w0.5: c1929.53,914.57 r31.5
  circle w0.5: c2029.53,914.57 r31.5
  circle w0.5: c2129.53,914.57 r31.5
  circle w0.5: c2229.53,914.57 r31.5
  circle w0.5: c1629.53,914.57 r31.5
  circle w0.5: c1629.53,1014.57 r31.5
  lines w0.5: 298.03,883.07 298.03,946.06 361.02,946.06 361.02,883.07 298.03,883.07
Mechanical 7:
  lines w0.5: 295.28,964.57 2263.78,964.57 ; 380,877.64 380,1047.64 ; 480,877.64 480,1047.64 ; 580,877.64 580,1047.64 ; 680,877.64 680,1047.64 ; 780,877.64 780,1047.64 ; 880,877.64 880,1047.64 ; 980,877.64 980,1047.64 ; 1080,877.64 1080,1047.64 ; 1180,877.64 1180,1047.64 ; 1280,877.64 1280,1047.64 ; 1380,877.64 1380,1047.64 ; 1480,877.64 1480,1047.64 ; 1580,877.64 1580,1047.64 ; 1680,877.64 1680,1047.64 ; 1780,877.64 1780,1047.64 ; 1880,877.64 1880,1047.64 ; 1980,877.64 1980,1047.64 ; 2080,877.64 2080,1047.64 ; 2180,877.64 2180,1047.64
Mechanical 8:
  lines w0.5: 275.59,881.89 275.59,1066.93 2283.46,1066.93 2283.46,862.2 295.28,862.2 275.59,881.89

## Text inside footprints (layer, text, board x,y; h text height)
B1: Top Overlay "VBAT+" at 2371.89,-408.01 h100; Top Overlay "VBAT-" at 727.39,-408.01 h100; Top Overlay "VBAT+" at 2371.89,343.96 h100; Top Overlay "VBAT-" at 729.91,347.97 h100
JP1: Top Overlay "1" at 3120.91,881.42 h30 r180